# Altium PCB fpga.PcbDoc (part 5 of 11) (continued)
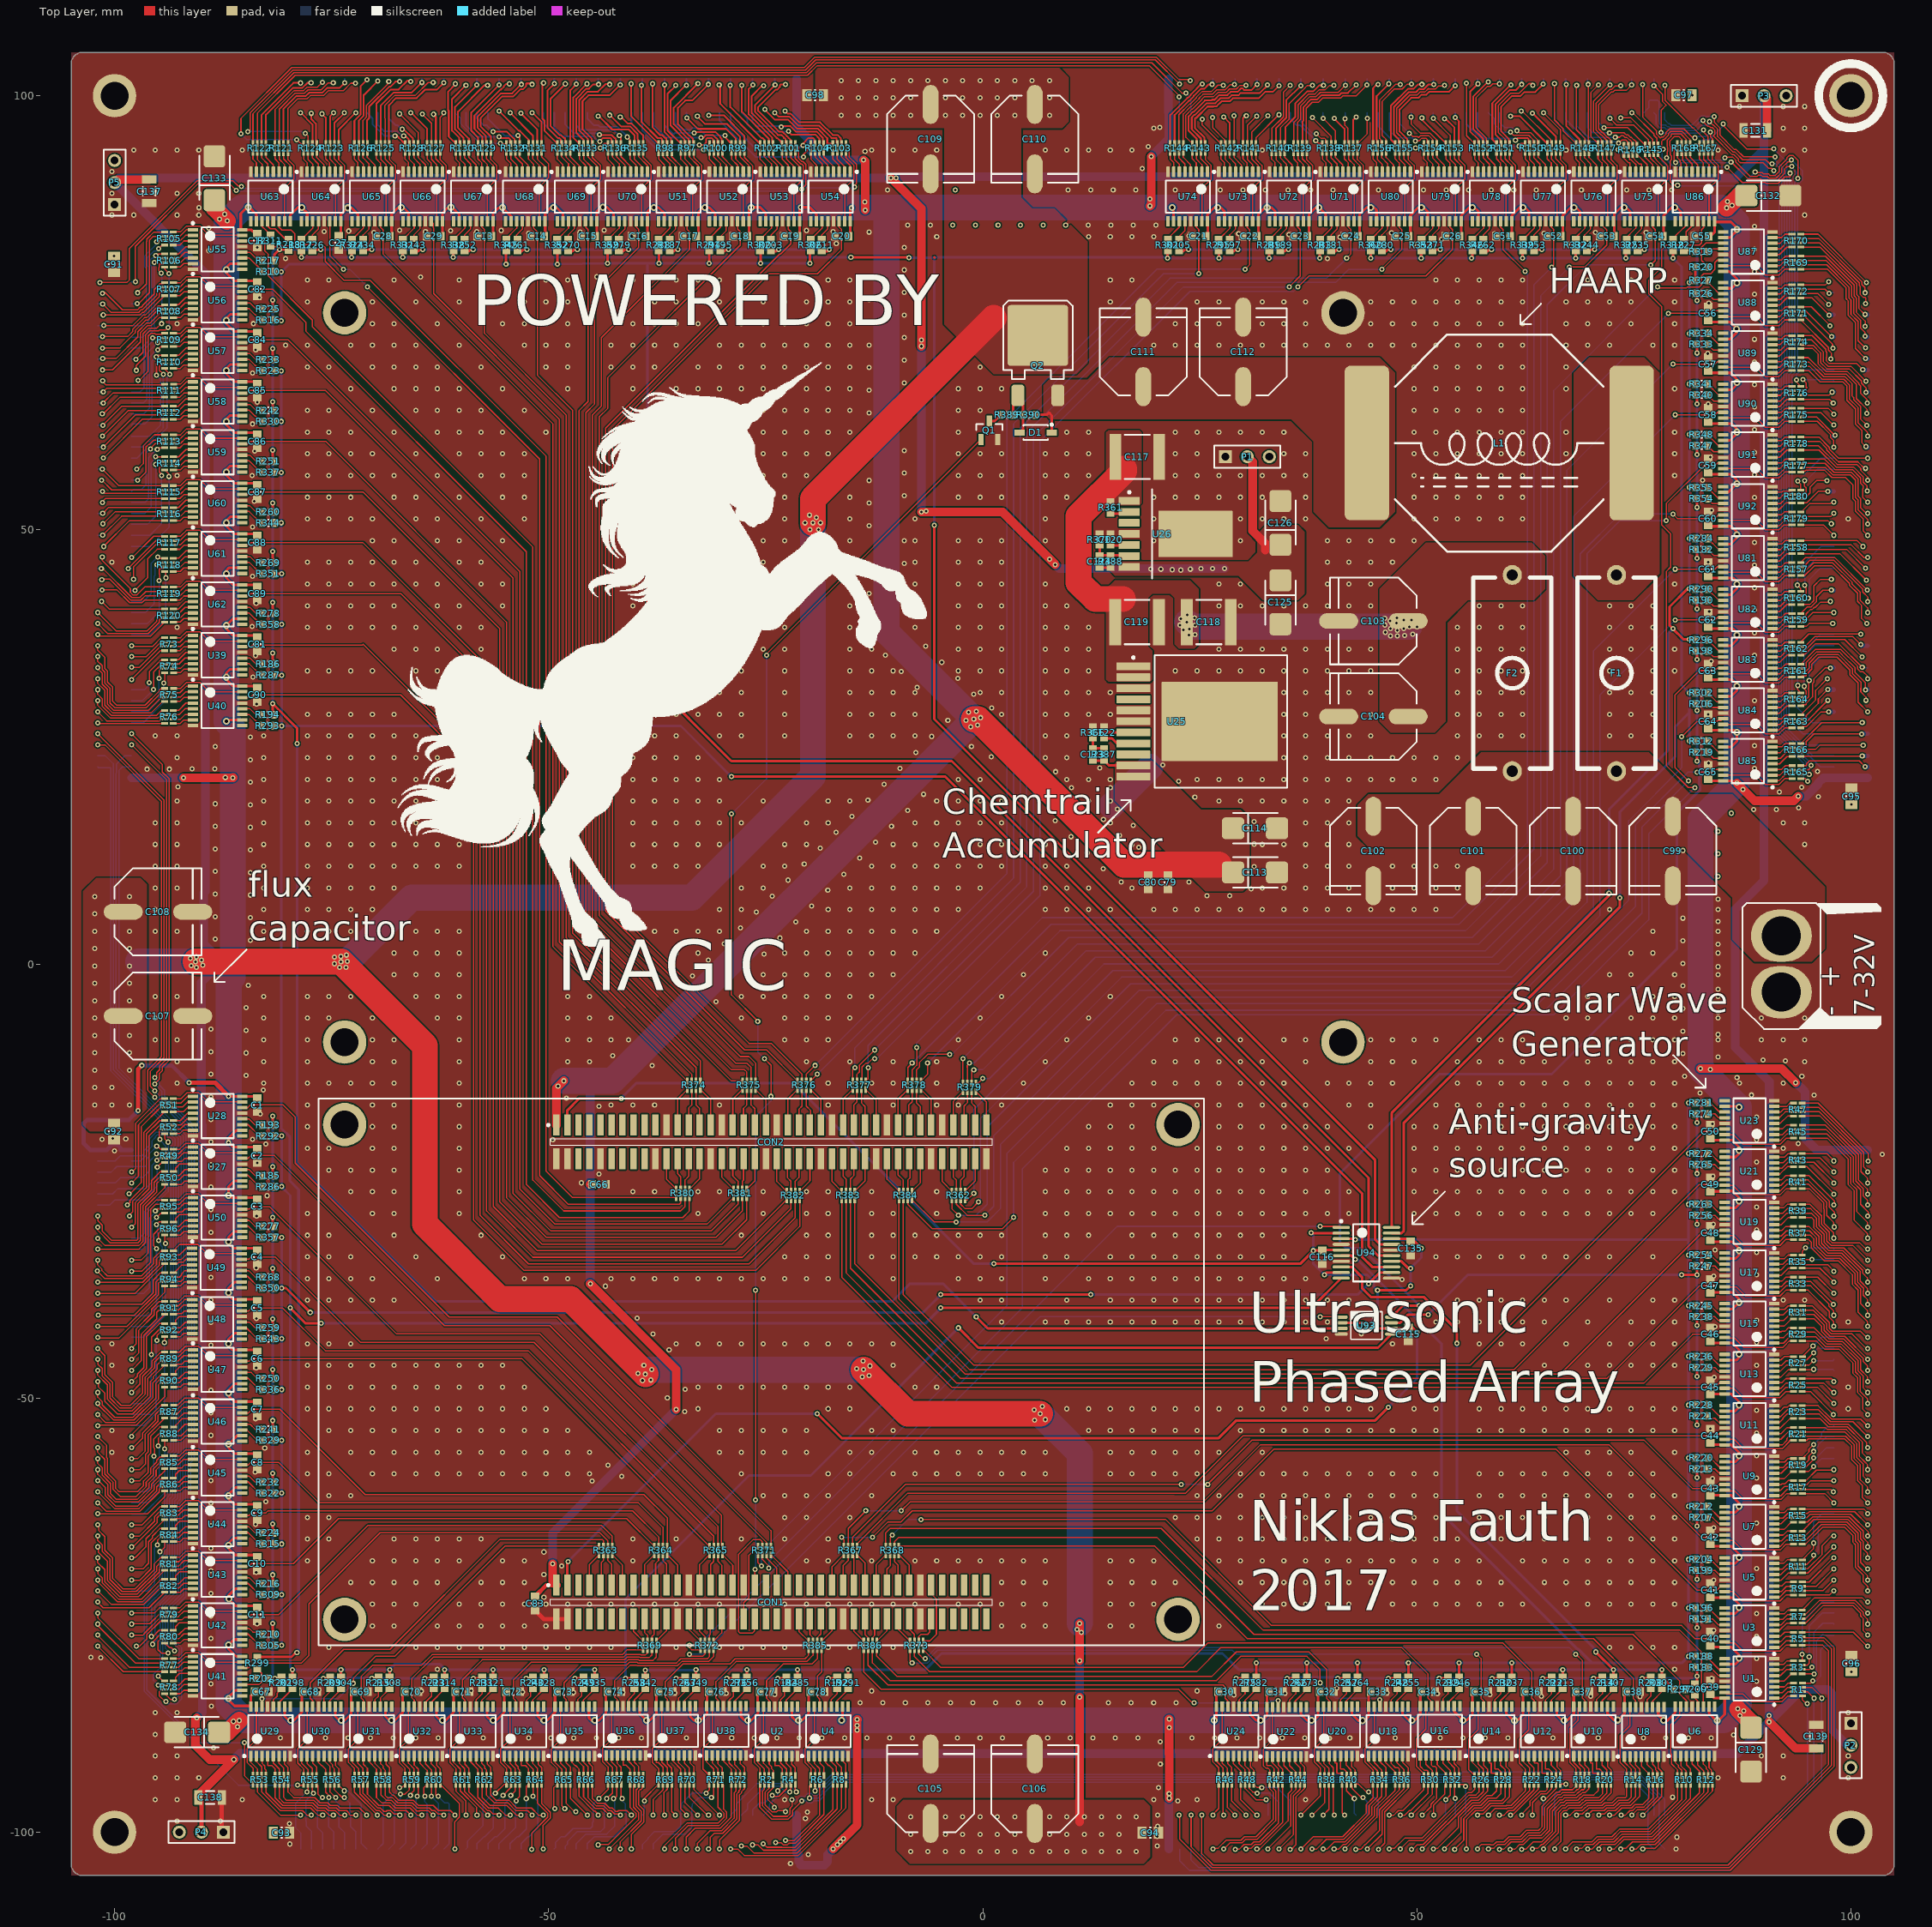
[diagram p0: Top Layer view]
## Nets (pads, with @x,y where several pads share a name; then routed paths per layer and width w, separated by ;. In a path a pad name is that pad's centre, name@x,y a point inside that pad or via, vN(x,y) a via of type N, cw(c..) or ccw(c..) an arc to the next point about the centre after c; other vN are vias at no path point) (continued)
  Top Layer w0.15: CON2.54@-16.095,-22.45 -16.095,-24.418 -15.744,-24.769 R383.3@-15.744,-26.17
NetCON2_55: CON2.55 R377.2 | length 4.2
  Top Layer w0.15: CON2.55@-14.825,-18.55 -14.825,-16.222 -14.474,-15.871 R377.2@-14.474,-14.47
NetCON2_56: CON2.56 R383.2 | length 3.9
  Top Layer w0.15: R383.2@-15.244,-26.17 -15.24,-26.166 -15.24,-24.765 -14.825,-24.35 CON2.56@-14.825,-22.45
NetCON2_57: CON2.57 R377.3 | length 4.3
  Top Layer w0.15: R377.3@-13.974,-14.47 -13.974,-15.998 -13.555,-16.417 CON2.57@-13.555,-18.55
NetCON2_58: CON2.58 R383.1 | length 4.2
  Top Layer w0.15: R383.1@-14.744,-26.17 -13.555,-24.981 CON2.58@-13.555,-22.45
NetCON2_59: CON2.59 R377.4 | length 4.6
  Top Layer w0.15: R377.4@-13.474,-14.47 -12.285,-15.659 CON2.59@-12.285,-18.55
NetCON2_62: CON2.62 R384.4 | length 4.3
  Top Layer w0.15: CON2.62@-11.015,-22.45 -11.015,-24.795 R384.4@-9.64,-26.17
NetCON2_63: CON2.63 R378.1 | length 4.5
  Top Layer w0.15: CON2.63@-9.745,-18.55 -9.745,-15.591 R378.1@-8.624,-14.47
NetCON2_64: CON2.64 R384.3 | length 4
  Top Layer w0.15: CON2.64@-9.745,-22.45 -9.745,-24.291 -9.14,-24.896 R384.3@-9.14,-26.17
NetCON2_65: CON2.65 R378.2 | length 4.3
  Top Layer w0.15: CON2.65@-8.475,-18.55 -8.509,-18.516 -8.509,-16.256 -8.124,-15.871 R378.2@-8.124,-14.47
NetCON2_66: CON2.66 R384.2 | length 3.9
  Top Layer w0.15: R384.2@-8.64,-26.17 -8.64,-24.896 -8.382,-24.638 -8.382,-22.543 CON2.66@-8.475,-22.45
NetCON2_67: CON2.67 R378.3 | length 4.3
  Top Layer w0.15: R378.3@-7.624,-14.47 -7.624,-15.998 -7.205,-16.417 CON2.67@-7.205,-18.55
NetCON2_68: CON2.68 R384.1 | length 4.1
  Top Layer w0.15: R384.1@-8.14,-26.17 -7.205,-25.235 CON2.68@-7.205,-22.45
NetCON2_69: CON2.69 R378.4 | length 4.6
  Top Layer w0.15: R378.4@-7.124,-14.47 -5.935,-15.659 CON2.69@-5.935,-18.55
NetCON2_72: CON2.72 R362.4 | length 4.2
  Top Layer w0.15: CON2.72@-4.665,-22.45 -4.665,-25.049 R362.4@-3.544,-26.17
NetCON2_73: CON2.73 R379.1 | length 4.3
  Top Layer w0.15: CON2.73@-3.395,-18.55 -3.395,-15.845 R379.1@-2.274,-14.724
NetCON2_74: CON2.74 R362.3 | length 3.9
  Top Layer w0.15: CON2.74@-3.395,-22.45 -3.395,-24.545 -3.044,-24.896 R362.3@-3.044,-26.17
NetCON2_75: CON2.75 R379.2 | length 4
  Top Layer w0.15: CON2.75@-2.125,-18.55 -2.159,-18.516 -2.159,-16.383 -1.774,-15.998 R379.2@-1.774,-14.724
NetCON2_76: CON2.76 R362.2 | length 3.9
  Top Layer w0.15: R362.2@-2.544,-26.17 -2.544,-24.896 -2.125,-24.477 CON2.76@-2.125,-22.45
NetCON2_77: CON2.77 R379.3 | length 4
  Top Layer w0.15: R379.3@-1.274,-14.724 -1.274,-15.998 -0.855,-16.417 CON2.77@-0.855,-18.55
NetCON2_78: CON2.78 R362.1 | length 4.2
  Top Layer w0.15: R362.1@-2.044,-26.17 -0.855,-24.981 CON2.78@-0.855,-22.45
NetCON2_79: CON2.79 R379.4 | length 4.3
  Top Layer w0.15: R379.4@-0.774,-14.724 0.415,-15.913 CON2.79@0.415,-18.55
NetD1_1: D1.1 Q2.1 R389.2 R390.2 | length 7.2
  Top Layer w0.3: R389.2@3.494,63.246 3.494,64.934 Q2.1@4.05,65.49 4.634,64.906 R390.2@4.634,63.246 4.634,61.602 D1.1@4.246,61.214
NetF1_2: F1.2 L1.1
NetJ1_7: J1.7 R47.8 | length 10.9
  Top Layer w0.15: R47.8@94.4,-16.026 96.226,-16.026 102,-21.8 v1(102,-22.7) v1@101.95,-22.695
NetJ1_8: J1.8 R43.8 | length 4
  Top Layer w0.15: R43.8@94.4,-21.852 97.252,-21.852 98.05,-22.65 v1(98.05,-22.695)
NetJ1_9: J1.9 R47.7 | length 11.7
  Top Layer w0.15: R47.7@94.4,-16.526 96.302,-16.526 101.475,-21.699 101.475,-23.375 102,-23.9 v1(101.95,-23.965)
NetJ1_10: J1.10 R43.7 | length 4.3
  Top Layer w0.15: R43.7@94.4,-22.352 96.452,-22.352 98.05,-23.95 v1(98.05,-23.965)
NetJ1_11: J1.11 R47.6 | length 12.6
  Top Layer w0.15: R47.6@94.4,-17.026 96.377,-17.026 101.175,-21.824 101.175,-23.932 101.9,-24.657 101.9,-25.235 101.9,-25.3 v1(101.95,-25.235)
NetJ1_12: J1.12 R43.6 | length 4.7
  Top Layer w0.15: R43.6@94.4,-22.852 95.752,-22.852 98.093,-25.192 98.1,-25.2 v1(98.05,-25.235)
NetJ1_13: J1.13 R47.5 | length 13.3
  Top Layer w0.15: R47.5@94.4,-17.526 96.453,-17.526 100.875,-21.948 100.875,-24.902 101.9,-25.927 101.9,-26.455 v1(101.95,-26.505)
NetJ1_14: J1.14 R43.5 | length 5
  Top Layer w0.15: R43.5@94.4,-23.352 94.952,-23.352 98.078,-26.477 v1(98.05,-26.505)
NetJ1_15: J1.15 R45.8 | length 13.9
  Top Layer w0.15: R45.8@94.416,-18.566 97.069,-18.566 100.575,-22.072 100.575,-25.027 101.425,-25.877 101.425,-26.722 101.9,-27.197 101.9,-27.725 v1(101.95,-27.775)
NetJ1_16: J1.16 R41.8 | length 5.4
  Top Layer w0.15: R41.8@94.4,-24.384 95.187,-24.384 98.1,-27.297 98.1,-27.725 v1(98.05,-27.775)
NetJ1_17: J1.17 R45.7 | length 14.7
  Top Layer w0.15: R45.7@94.416,-19.066 97.145,-19.066 100.275,-22.196 100.275,-25.151 101.125,-26.001 101.125,-27.692 102,-28.567 102,-29 v1(101.95,-29.045)
NetJ1_18: J1.18 R41.7 | length 6.1
  Top Layer w0.15: R41.7@94.4,-24.884 95.084,-24.884 97.525,-27.325 97.525,-27.992 98.1,-28.567 98.1,-29 v1(98.05,-29.045)
NetJ1_19: J1.19 R45.6 | length 15.8
  Top Layer w0.15: R45.6@94.416,-19.566 97.22,-19.566 99.975,-22.321 99.975,-25.275 100.701,-26.001 100.701,-28.538 101.9,-29.737 101.9,-30.4 102,-30.3 v1(101.95,-30.315)
NetJ1_20: J1.20 R41.6 | length 7
  Top Layer w0.15: R41.6@94.4,-25.384 95.16,-25.384 97.225,-27.449 97.225,-27.868 97.194,-27.899 97.194,-28.086 97.225,-28.117 97.225,-28.962 98,-29.737 98,-30.3 v1(98.1,-30.3)
NetJ1_21: J1.21 R45.5 | length 16.3
  Top Layer w0.15: R45.5@94.416,-20.066 97.296,-20.066 99.675,-22.445 99.675,-25.399 100.4,-26.125 100.4,-29.534 101.9,-31.034 101.9,-31.535 v1(101.95,-31.585)
NetJ1_22: J1.22 R41.5 | length 7.7
  Top Layer w0.15: R41.5@94.4,-25.884 95.235,-25.884 96.894,-27.542 96.894,-28.21 96.925,-28.241 96.925,-29.867 98,-30.942 98,-31.535 v1(98.05,-31.585)
NetJ1_23: J1.23 R39.8 | length 10.8
  Top Layer w0.15: R39.8@94.408,-27.698 95.298,-27.698 96.625,-29.025 96.625,-29.992 97.525,-30.892 97.525,-31.802 97.833,-32.11 101.01,-32.11 101.755,-32.855 v1(101.95,-32.855)
NetJ1_24: J1.24 R35.8 | length 4.3
  Top Layer w0.15: R35.8@94.4,-33.536 94.4,-33.1 v1(94.8,-32.7)
  Bottom Layer w0.15: v1(94.8,-32.7) 97.895,-32.7 J1.24@98.05,-32.855
NetJ1_25: J1.25 R39.7 | length 11.3
  Top Layer w0.15: R39.7@94.408,-28.198 95.374,-28.198 96.325,-29.149 96.325,-30.125 97.225,-31.025 97.225,-31.927 97.708,-32.41 100.21,-32.41 101.938,-34.138 102,-34.2 v1(101.95,-34.125)
NetJ1_26: J1.26 R35.7 | length 3.7
  Top Layer w0.15: R35.7@94.4,-34.036 v1(95.536,-34.036)
  Bottom Layer w0.15: v1(95.536,-34.036) 97.961,-34.036 J1.26@98.05,-34.125
NetJ1_27: J1.27 R39.6 | length 11.4
  Top Layer w0.15: R39.6@94.408,-28.698 95.449,-28.698 96.025,-29.274 96.025,-30.249 96.925,-31.149 96.925,-32.051 97.584,-32.71 99.21,-32.71 101.9,-35.4 v1(101.95,-35.395)
NetJ1_28: J1.28 R35.6 | length 4
  Top Layer w0.15: R35.6@94.4,-34.536 94.489,-34.625 97.325,-34.625 98.05,-35.35 v1(98.05,-35.395)
NetJ1_29: J1.29 R39.5 | length 12.2
  Top Layer w0.15: R39.5@94.408,-29.198 95.462,-29.198 95.725,-29.461 95.725,-30.374 96.625,-31.274 96.625,-32.175 97.46,-33.01 99.086,-33.01 101.375,-35.299 101.375,-35.617 101.9,-36.142 101.9,-36.615 v1(101.95,-36.665)
NetJ1_30: J1.30 R35.5 | length 4.4
  Top Layer w0.15: R35.5@94.4,-35.036 96.436,-35.036 98.058,-36.657 98.065,-36.665 v1(98.05,-36.665)
NetJ1_31: J1.31 R37.8 | length 12.2
  Top Layer w0.15: R37.8@94.408,-30.238 95.165,-30.238 96.325,-31.398 96.325,-32.3 97.335,-33.31 98.961,-33.31 101.075,-35.424 101.075,-36.532 101.9,-37.357 101.9,-37.9 v1(101.95,-37.935)
NetJ1_32: J1.32 R33.8 | length 4.4
  Top Layer w0.15: R33.8@94.408,-36.08 96.18,-36.08 98.035,-37.935 v1(98.05,-37.935)
NetJ1_33: J1.33 R37.7 | length 13.1
  Top Layer w0.15: R37.7@94.408,-30.738 95.241,-30.738 96.025,-31.522 96.025,-32.424 97.211,-33.61 98.837,-33.61 100.775,-35.548 100.775,-36.657 101.476,-37.357 101.476,-37.667 101.425,-37.718 101.425,-38.152 101.9,-38.627 101.9,-39.155 v1(101.95,-39.205)
NetJ1_34: J1.34 R33.7 | length 4.7
  Top Layer w0.15: R33.7@94.408,-36.58 95.38,-36.58 v1(98,-39.2) v1@98.05,-39.205
NetJ1_35: J1.35 R37.6 | length 13.8
  Top Layer w0.15: R37.6@94.408,-31.238 95.317,-31.238 95.725,-31.646 95.725,-32.548 97.087,-33.91 98.713,-33.91 100.475,-35.672 100.475,-36.781 101.125,-37.431 101.125,-39.122 101.9,-39.897 101.9,-40.425 v1(101.95,-40.475)
NetJ1_36: J1.36 R33.6 | length 5.5
  Top Layer w0.15: R33.6@94.408,-37.08 95.38,-37.08 97.475,-39.175 97.475,-39.417 98,-39.942 98,-40.475 98,-40.5 v1(98.05,-40.475)
NetJ1_37: J1.37 R37.5 | length 14.5
  Top Layer w0.15: R37.5@94.408,-31.738 95.138,-31.738 95.425,-32.025 95.425,-32.672 96.963,-34.21 98.589,-34.21 100.175,-35.796 100.175,-36.905 100.825,-37.555 100.825,-40.092 101.9,-41.167 101.9,-41.7 v1(101.95,-41.745)
NetJ1_38: J1.38 R33.5 | length 6.1
  Top Layer w0.15: R33.5@94.408,-37.58 95.08,-37.58 97.525,-40.025 97.525,-40.692 98,-41.167 98,-41.695 v1(98.05,-41.745)
NetJ1_39: J1.39 R31.8 | length 9.4
  Top Layer w0.15: R31.8@94.408,-39.382 95.582,-39.382 97.525,-41.325 97.525,-41.962 97.863,-42.3 101.1,-42.3 101.815,-43.015 v1(101.95,-43.015)
NetJ1_40: J1.40 R27.8 | length 4.6
  Top Layer w0.15: R27.8@94.416,-45.228 v1(95.644,-44)
  Bottom Layer w0.15: v1(95.644,-44) 96.629,-43.015 J1.40@98.05,-43.015
NetJ1_41: J1.41 R31.7 | length 9.8
  Top Layer w0.15: R31.7@94.408,-39.882 95.658,-39.882 97.225,-41.449 97.225,-42.087 97.738,-42.6 100.1,-42.6 101.8,-44.3 101.935,-44.3 v1(101.95,-44.285)
NetJ1_42: J1.42 R27.7 | length 4.2
  Top Layer w0.15: R27.7@94.416,-45.728 94.772,-45.728 94.897,-45.603 94.909,-45.603 95.041,-45.471 95.041,-45.459 v1(95.7,-44.8)
  Bottom Layer w0.15: v1(95.7,-44.8) 96.215,-44.285 J1.42@98.05,-44.285
NetJ1_43: J1.43 R31.6 | length 10.1
  Top Layer w0.15: R31.6@94.408,-40.382 95.733,-40.382 96.925,-41.574 96.925,-42.211 97.614,-42.9 99.3,-42.9 101.95,-45.55 v1(101.95,-45.555)
NetJ1_44: J1.44 R27.6 | length 3.9
  Top Layer w0.15: R27.6@94.416,-46.228 95.172,-46.228 v1(95.7,-45.7)
  Bottom Layer w0.15: v1(95.7,-45.7) 97.905,-45.7 J1.44@98.05,-45.555
NetJ1_45: J1.45 R31.5 | length 10.9
  Top Layer w0.15: R31.5@94.408,-40.882 95.782,-40.882 96.625,-41.725 96.625,-42.335 97.49,-43.2 99.176,-43.2 101.425,-45.449 101.425,-45.772 101.9,-46.247 101.9,-46.8 v1(101.95,-46.825)
NetJ1_46: J1.46 R27.5 | length 3.7
  Top Layer w0.15: R27.5@94.416,-46.728 95.572,-46.728 v1(95.7,-46.7)
  Bottom Layer w0.15: v1(95.7,-46.7) 97.925,-46.7 J1.46@98.05,-46.825
NetJ1_47: J1.47 R29.8 | length 11.1
  Top Layer w0.15: R29.8@94.408,-41.922 95.787,-41.922 97.365,-43.5 99.051,-43.5 101.125,-45.574 101.125,-46.742 101.9,-47.517 101.9,-48.095 101.9,-48.1 v1(101.95,-48.095)
NetJ1_48: J1.48 R25.8 | length 3.8
  Top Layer w0.15: R25.8@94.4,-47.76 97.76,-47.76 98.05,-48.05 v1(98.05,-48.095)
NetJ1_49: J1.49 R29.7 | length 12
  Top Layer w0.15: R29.7@94.408,-42.422 95.863,-42.422 97.241,-43.8 98.927,-43.8 100.825,-45.698 100.825,-46.867 101.4,-47.442 101.4,-48.8 101.958,-49.357 102,-49.4 v1(101.95,-49.365)
NetJ1_50: J1.50 R25.7 | length 4.1
  Top Layer w0.15: R25.7@94.4,-48.26 96.86,-48.26 97.965,-49.365 v1(98.05,-49.365)
NetJ1_51: J1.51 R29.6 | length 12.7
  Top Layer w0.15: R29.6@94.408,-42.922 95.939,-42.922 97.117,-44.1 98.803,-44.1 100.525,-45.822 100.525,-46.991 101.1,-47.566 101.1,-49.257 101.9,-50.057 101.9,-50.6 v1(101.95,-50.635)
NetJ1_52: J1.52 R25.6 | length 4.4
  Top Layer w0.15: R25.6@94.4,-48.76 96.16,-48.76 98,-50.6 v1(98.05,-50.635)
NetJ1_53: J1.53 R29.5 | length 13.6
  Top Layer w0.15: R29.5@94.408,-43.422 96.015,-43.422 96.993,-44.4 98.679,-44.4 100.225,-45.946 100.225,-47.115 100.8,-47.69 100.8,-49.382 101.359,-49.941 101.359,-51.259 101.978,-51.877 102,-51.9 v1(101.95,-51.905)
NetJ1_54: J1.54 R25.5 | length 4.7
  Top Layer w0.15: R25.5@94.4,-49.26 95.36,-49.26 v1(98,-51.9)
NetJ1_55: J1.55 R23.8 | length 8.5
  Top Layer w0.15: R23.8@94.4,-50.858 96.216,-50.858 97.783,-52.425 101.125,-52.425 101.875,-53.175 v1(101.95,-53.175)
NetJ1_56: J1.56 R19.8 | length 5.7
  Top Layer w0.15: R19.8@94.4,-56.97 95.175,-56.195 95.175,-55.883 v1(95.7,-55.358)
  Bottom Layer w0.15: v1(95.7,-55.358) 96.625,-54.433 96.625,-53.982 97.267,-53.34 97.885,-53.34 J1.56@98.05,-53.175
NetJ1_57: J1.57 R23.7 | length 8.8
  Top Layer w0.15: R23.7@94.4,-51.358 96.291,-51.358 97.658,-52.725 100.23,-52.725 v1(101.95,-54.445)
NetJ1_58: J1.58 R19.7 | length 5.3
  Top Layer w0.15: R19.7@94.4,-57.47 94.83,-57.47 95.175,-57.125 ; v1@95.758,-56.134 v1(95.724,-56.134) 95.175,-56.683 95.175,-57.117 ; 95.175,-57.125 95.175,-57.117 ; 95.175,-57.125 95.175,-57.117
  Bottom Layer w0.15: v1(95.724,-56.134) 95.724,-56.076 96.225,-55.575 96.225,-55.413 97.193,-54.445 J1.58@98.05,-54.445
NetJ1_59: J1.59 R23.6 | length 9.6
  Top Layer w0.15: R23.6@94.4,-51.858 96.367,-51.858 97.534,-53.025 99.725,-53.025 101.8,-55.1 101.8,-55.715 101.8,-55.8 v1(101.95,-55.715)
NetJ1_60: J1.60 R19.6 | length 4.7
  Top Layer w0.15: R19.6@94.4,-57.97 94.83,-57.97 95.7,-57.1 v1(95.7,-56.9)
  Bottom Layer w0.15: v1(95.7,-56.9) 96.008,-56.9 97.193,-55.715 J1.60@98.05,-55.715
NetJ1_61: J1.61 R23.5 | length 10.4
  Top Layer w0.15: R23.5@94.4,-52.358 94.433,-52.391 96.476,-52.391 97.41,-53.325 99.601,-53.325 101.3,-55.024 101.3,-56.3 v1(102,-57) v1@102.104,-56.896
NetJ1_62: J1.62 R19.5 | length 4.3
  Top Layer w0.15: R19.5@94.4,-58.47 95.13,-58.47 v1(95.7,-57.9)
  Bottom Layer w0.15: v1(95.7,-57.9) 96.615,-56.985 J1.62@98.05,-56.985
NetJ1_63: J1.63 R21.8 | length 10.9
  Top Layer w0.15: R21.8@94.408,-53.394 97.055,-53.394 97.285,-53.625 99.477,-53.625 101,-55.149 101,-56.742 101.675,-57.417 101.9,-57.642 101.9,-58.3 v1(101.95,-58.255)
NetJ1_64: J1.64 R17.8 | length 4.2
  Top Layer w0.15: R17.8@94.408,-59.506 94.836,-59.506 96.042,-58.3 98.005,-58.3 v1(98.05,-58.255)
NetJ1_65: J1.65 R21.7 | length 11.6
  Top Layer w0.15: R21.7@94.408,-53.894 94.439,-53.925 99.352,-53.925 100.7,-55.273 100.7,-56.867 101.4,-57.567 101.4,-58.975 v1(101.95,-59.525)
NetJ1_66: J1.66 R17.7 | length 3.8
  Top Layer w0.15: R17.7@94.408,-60.006 94.894,-60.006 95.375,-59.525 v1(98.05,-59.525)
NetJ1_67: J1.67 R21.6 | length 12.5
  Top Layer w0.15: R21.6@94.408,-54.394 99.394,-54.394 100.4,-55.4 100.4,-56.991 101.1,-57.691 101.1,-59.417 101.9,-60.217 101.9,-60.795 101.9,-60.8 v1(101.95,-60.795)
NetJ1_68: J1.68 R17.6 | length 3.8
  Top Layer w0.15: R17.6@94.408,-60.506 97.706,-60.506 v1(98,-60.8) v1@98.05,-60.795
NetJ1_69: J1.69 R21.5 | length 13.4
  Top Layer w0.15: R21.5@94.408,-54.894 94.906,-54.894 95.106,-54.694 99.27,-54.694 100.1,-55.524 100.1,-57.115 100.8,-57.815 100.8,-59.542 101.3,-60.042 101.3,-61.415 v1(101.95,-62.065)
NetJ1_70: J1.70 R17.5 | length 4.1
  Top Layer w0.15: R17.5@94.408,-61.006 96.991,-61.006 v1(98.05,-62.065)
NetJ1_71: J1.71 R15.8 | length 7.9
  Top Layer w0.15: R15.8@94.4,-62.788 101.488,-62.788 102,-63.3 v1(101.95,-63.335)
NetJ1_72: J1.72 R11.8 | length 7.6
  Top Layer w0.15: R11.8@94.408,-68.65 95.483,-67.575 ; 95.483,-67.575 95.7,-67.358 v1(95.7,-66.7)
  Bottom Layer w0.15: v1(95.7,-66.7) 95.7,-64.3 96.665,-63.335 J1.72@98.05,-63.335
NetJ1_73: J1.73 R15.7 | length 8.3
  Top Layer w0.15: R15.7@94.4,-63.288 94.412,-63.3 95,-63.3 95.212,-63.088 100.433,-63.088 v1(101.95,-64.605)
NetJ1_74: J1.74 R11.7 | length 7.2
  Top Layer w0.15: R11.7@94.408,-69.15 94.95,-69.15 95.7,-68.4 v1(95.7,-68.1)
  Bottom Layer w0.15: v1(95.7,-68.1) 96.225,-67.575 96.225,-64.963 96.596,-64.592 98.037,-64.592 J1.74@98.05,-64.605
NetJ1_75: J1.75 R15.6 | length 9.2
  Top Layer w0.15: R15.6@94.4,-63.788 94.936,-63.788 95.336,-63.388 99.988,-63.388 102,-65.4 102,-65.875 102,-65.9 v1(101.95,-65.875)
NetJ1_76: J1.76 R11.6 | length 5.9
  Top Layer w0.15: R11.6@94.408,-69.65 95.05,-69.65 96.7,-68 96.7,-67 97.9,-65.8 97.975,-65.875 v1(98.05,-65.875)
NetJ1_77: J1.77 R15.5 | length 10
  Top Layer w0.15: R15.5@94.4,-64.288 95.012,-64.288 95.612,-63.688 99.788,-63.688 101.425,-65.325 101.425,-66.092 101.95,-66.617 v1(101.95,-67.145)
NetJ1_78: J1.78 R11.5 | length 4.9
  Top Layer w0.15: R11.5@94.408,-70.15 95.05,-70.15 98.05,-67.15 v1(98.05,-67.145)
NetJ1_79: J1.79 R13.8 | length 11.2
  Top Layer w0.15: R13.8@94.4,-65.336 95.748,-63.988 99.664,-63.988 101.125,-65.449 101.125,-66.217 101.425,-66.517 101.425,-67.362 101.9,-67.837 101.9,-68.4 v1(101.95,-68.415)
NetJ1_80: J1.80 R9.8 | length 4.8
  Top Layer w0.15: R9.8@94.408,-71.19 95.21,-71.19 98,-68.4 v1(98.05,-68.415)
NetJ1_81: J1.81 R13.7 | length 12.3
  Top Layer w0.15: R13.7@94.4,-65.836 94.768,-65.836 96.316,-64.288 99.539,-64.288 100.825,-65.574 100.825,-66.341 101.125,-66.641 101.125,-68.925 v1@101.854,-69.654 ; v1@101.854,-69.654 101.9,-69.7 v1(101.95,-69.685) v1@101.854,-69.654
NetJ1_82: J1.82 R9.7 | length 4.5
  Top Layer w0.15: R9.7@94.408,-71.69 96.01,-71.69 98,-69.7 v1(98.05,-69.685)
NetJ1_83: J1.83 R13.6 | length 13.2
  Top Layer w0.15: R13.6@94.4,-66.336 94.864,-66.336 96.612,-64.588 99.415,-64.588 100.525,-65.698 100.525,-66.465 100.825,-66.765 100.825,-69.367 101.9,-70.442 101.9,-70.905 v1(101.95,-70.955)
NetJ1_84: J1.84 R9.6 | length 4.2
  Top Layer w0.15: R9.6@94.408,-72.19 96.815,-72.19 v1(98.05,-70.955)
NetJ1_85: J1.85 R13.5 | length 14.1
  Top Layer w0.15: R13.5@94.4,-66.836 94.788,-66.836 96.736,-64.888 99.291,-64.888 100.225,-65.822 100.225,-66.59 100.525,-66.89 100.525,-69.492 101.425,-70.392 101.425,-71.172 101.95,-71.697 v1(101.95,-72.225)
NetJ1_86: J1.86 R9.5 | length 3.9
  Top Layer w0.15: R9.5@94.408,-72.69 97.51,-72.69 98,-72.2 v1(98.05,-72.225)
NetJ1_87: J1.87 R7.8 | length 8.3
  Top Layer w0.15: R7.8@94.4,-74.43 95.83,-73 101.3,-73 101.8,-73.5 v1(101.95,-73.495)
NetJ1_88: J1.88 R3.8 | length 9.2
  Top Layer w0.15: R3.8@94.4,-80.264 v1(94.4,-79.5)
  Bottom Layer w0.15: v1(94.4,-79.5) 94.4,-75.78 96.774,-73.406 96.863,-73.495 J1.88@98.05,-73.495
NetJ1_89: J1.89 R7.7 | length 8.8
  Top Layer w0.15: R7.7@94.4,-74.93 94.768,-74.93 96.398,-73.3 100.485,-73.3 v1(101.95,-74.765)
NetJ1_90: J1.90 R3.7 | length 8.7
  Top Layer w0.15: R3.7@94.4,-80.764 94.994,-80.764 95.2,-80.558 v1(95.2,-79.8)
  Bottom Layer w0.15: v1(95.2,-79.8) 95.2,-76.25 96.685,-74.765 J1.90@98.05,-74.765
NetJ1_91: J1.91 R7.6 | length 9.9
  Top Layer w0.15: R7.6@94.4,-75.43 94.77,-75.43 96.6,-73.6 100.361,-73.6 101.425,-74.664 101.425,-74.982 101.9,-75.457 101.9,-76.035 101.9,-76.1 v1(101.95,-76.035)
NetJ1_92: J1.92 R3.6 | length 8.1
  Top Layer w0.15: R3.6@94.4,-81.264 95.236,-81.264 v1(95.5,-81)
  Bottom Layer w0.15: v1(95.5,-81) 95.758,-80.742 95.758,-76.962 96.774,-75.946 97.961,-75.946 J1.92@98.05,-76.035
NetJ1_93: J1.93 R7.5 | length 10.8
  Top Layer w0.15: R7.5@94.4,-75.93 94.77,-75.93 96.8,-73.9 100.236,-73.9 101.125,-74.789 101.125,-75.107 101.4,-75.382 101.4,-76.755 v1(101.95,-77.305)
NetJ1_94: J1.94 R3.5 | length 7.7
  Top Layer w0.15: R3.5@94.4,-81.764 95.734,-81.764 v1(95.758,-81.788)
  Bottom Layer w0.15: v1(95.758,-81.788) 96.058,-81.488 96.058,-77.932 96.774,-77.216 96.863,-77.305 J1.94@98.05,-77.305
NetJ1_95: J1.95 R5.8 | length 8.2
  Top Layer w0.15: R5.8@94.4,-76.978 100.278,-76.978 101.9,-78.6 v1(101.95,-78.575)
NetJ1_96: J1.96 R1.8 | length 7.2
  Top Layer w0.15: R1.8@94.416,-82.828 95.372,-82.828 v1(95.6,-82.6)
  Bottom Layer w0.15: v1(95.6,-82.6) 95.962,-82.6 96.52,-82.042 96.52,-78.994 96.939,-78.575 J1.96@98.05,-78.575
NetJ2_7: J2.7 R5.7 | length 102.4
  Top Layer w0.15: v1@22.695,-98.05 22.695,-100.8 26.289,-104.394 86.106,-104.394 98.044,-92.456 98.044,-78.74 96.907,-77.603 94.525,-77.603 R5.7@94.4,-77.478
  other v1: 22.606,-98.044
NetJ2_8: J2.8 R1.7 | length 92.4
  Top Layer w0.15: R1.7@94.416,-83.328 95.52,-83.328 96.647,-84.455 v1(96.647,-84.582)
  Bottom Layer w0.15: J2.8@22.695,-101.95 22.695,-103.289 23.816,-104.41 86.133,-104.41 96.647,-93.896 v1(96.647,-84.582) v1@96.647,-84.455
NetJ2_9: J2.9 R5.6 | length 100.5
  Top Layer w0.15: v1@23.965,-98.05 v1(24.003,-98.044) 24.003,-101.684 26.413,-104.094 85.982,-104.094 97.744,-92.332 97.744,-78.864 96.858,-77.978 R5.6@94.4,-77.978
NetJ2_10: J2.10 R1.6 | length 88.9
  Top Layer w0.15: R1.6@94.416,-83.828 95.004,-83.828 v1(95.758,-84.582)
  Bottom Layer w0.15: J2.10@23.965,-101.95 23.965,-103.162 24.913,-104.11 86.009,-104.11 95.758,-94.361 v1(95.758,-84.582)
NetJ2_11: J2.11 R5.5 | length 98.4
  Top Layer w0.15: v1(25.235,-98.05) 25.235,-102.491 26.538,-103.794 85.857,-103.794 97.444,-92.207 97.444,-79.156 96.766,-78.478 R5.5@94.4,-78.478
NetJ2_12: J2.12 R1.5 | length 85.5
  Top Layer w0.15: R1.5@94.416,-84.328 94.416,-84.764 94.869,-85.217 v1(94.996,-85.217)
  Bottom Layer w0.15: J2.12@25.235,-101.95 25.235,-102.959 26.086,-103.81 85.827,-103.81 94.996,-94.64 v1(94.996,-85.217)
NetJ2_13: J2.13 R46.5 | length 4.1
  Top Layer w0.15: R46.5@27.19,-94.48 27.19,-97.27 v1@26.416,-98.044 ; v1@26.416,-98.044 26.422,-98.05 v1(26.505,-98.05) v1@26.416,-98.044
NetJ2_14: J2.14 R42.5 | length 12.9
  Top Layer w0.15: R42.5@33.044,-94.472 33.044,-94.974 33.444,-95.374 33.444,-98.567 31.486,-100.525 30.149,-100.525 29.755,-100.919 28.064,-100.919 27.129,-101.854 v1@26.416,-101.854 ; v1@26.416,-101.854 26.416,-101.861 v1(26.505,-101.95) v1@26.416,-101.854
NetJ2_15: J2.15 R46.6 | length 3.6
  Top Layer w0.15: R46.6@27.69,-94.48 27.69,-97.965 v1(27.775,-98.05)
NetJ2_16: J2.16 R42.6 | length 11.6
  Top Layer w0.15: v1(27.775,-101.95) 28.506,-101.219 29.879,-101.219 30.273,-100.825 31.61,-100.825 33.744,-98.691 33.744,-95.25 33.528,-95.034 33.528,-94.488 R42.6@33.544,-94.472
NetJ2_17: J2.17 R46.7 | length 4
  Top Layer w0.15: R46.7@28.19,-94.48 28.19,-97.151 29.067,-98.028 v1@29.083,-98.044 ; v1@29.083,-98.044 29.077,-98.05 v1(29.045,-98.05) v1@29.083,-98.044
NetJ2_18: J2.18 R42.7 | length 10.8
  Top Layer w0.15: v1@29.045,-101.95 v1(29.076,-101.981) 29.542,-101.981 30.098,-101.425 30.943,-101.425 31.243,-101.125 31.884,-101.125 34.044,-98.965 R42.7@34.044,-94.472
NetJ2_19: J2.19 R46.8 | length 4.2
  Top Layer w0.15: R46.8@28.69,-94.48 28.69,-96.425 v1(30.315,-98.05)
NetJ2_20: J2.20 R42.8 | length 10.2
  Top Layer w0.15: R42.8@34.544,-94.472 34.544,-98.89 32.009,-101.425 31.368,-101.425 30.939,-101.854 v1@30.226,-101.854 ; v1@30.226,-101.854 30.226,-101.861 v1(30.315,-101.95) v1@30.226,-101.854
NetJ2_21: J2.21 R48.5 | length 4.5
  Top Layer w0.15: R48.5@29.718,-94.472 29.718,-96.266 31.543,-98.092 31.585,-98.133 v1(31.585,-98.05)
NetJ2_22: J2.22 R44.5 | length 9.3
  Top Layer w0.15: v1(31.585,-101.95) 31.908,-101.95 35.168,-98.69 35.168,-95.599 35.568,-95.199 R44.5@35.568,-94.472
NetJ2_23: J2.23 R48.6 | length 5.4
  Top Layer w0.15: R48.6@30.218,-94.472 30.218,-94.988 31.496,-96.266 v1(32.639,-96.266)
  Bottom Layer w0.15: v1@32.512,-96.266 32.855,-96.609 J2.23@32.855,-98.05
NetJ2_24: J2.24 R44.6 | length 8.8
  Top Layer w0.15: v1(32.855,-101.95) 32.855,-101.892 35.468,-99.279 35.468,-95.724 36.068,-95.124 R44.6@36.068,-94.472
NetJ2_25: J2.25 R48.7 | length 6
  Top Layer w0.15: R48.7@30.718,-94.472 30.718,-94.98 31.115,-95.377 31.496,-95.377 v1(31.623,-95.504)
  Bottom Layer w0.15: v1(31.623,-95.504) 33.02,-95.504 34.125,-96.609 J2.25@34.125,-98.05
NetJ2_26: J2.26 R44.7 | length 8.5
  Top Layer w0.15: v1(34.125,-101.95) 35.768,-100.307 35.768,-95.848 36.568,-95.048 R44.7@36.568,-94.472
NetJ2_27: J2.27 R48.8 | length 6.7
  Top Layer w0.15: R48.8@31.218,-94.472 31.615,-94.869 v1(32.131,-94.869)
  Bottom Layer w0.15: v1(32.131,-94.869) 33.909,-94.869 35.395,-96.355 J2.27@35.395,-98.05
NetJ2_28: J2.28 R44.8 | length 8.6
  Top Layer w0.15: R44.8@37.068,-94.472 37.068,-94.972 36.068,-95.972 36.068,-101.473 v1@35.433,-102.108 ; v1@35.433,-102.108 v1(35.433,-101.988) 35.395,-101.95 v1@35.433,-102.108
NetJ2_29: J2.29 R38.5 | length 4.5
  Top Layer w0.15: v1(36.665,-98.05) 38.874,-95.841 R38.5@38.874,-94.48
NetJ2_30: J2.30 R34.5 | length 12.9
  Top Layer w0.15: v1(36.665,-101.95) 38.09,-100.525 41.473,-100.525 44.2,-97.798 44.2,-96.808 44.966,-96.042 44.966,-95.603 44.975,-95.594 44.975,-94.481 R34.5@44.966,-94.472
NetJ2_31: J2.31 R38.6 | length 4.2
  Top Layer w0.15: v1(37.935,-98.05) 37.973,-98.044 39.374,-96.643 R38.6@39.374,-94.48
NetJ2_32: J2.32 R34.6 | length 12.1
  Top Layer w0.15: v1(37.935,-101.95) 37.973,-101.981 38.432,-101.981 39.588,-100.825 41.597,-100.825 44.5,-97.922 44.5,-96.932 45.466,-95.966 R34.6@45.466,-94.472
NetJ2_33: J2.33 R38.7 | length 3.8
  Top Layer w0.15: v1(39.205,-98.05) 39.874,-97.381 R38.7@39.874,-94.48
NetJ2_34: J2.34 R34.7 | length 11.3
  Top Layer w0.15: v1(39.205,-101.95) 39.675,-101.95 40.5,-101.125 41.721,-101.125 44.8,-98.046 44.8,-97.057 45.966,-95.891 R34.7@45.966,-94.472
NetJ2_35: J2.35 R38.8 | length 3.7
  Top Layer w0.15: R38.8@40.374,-94.48 40.374,-97.905 v1(40.513,-98.044) v1@40.475,-98.05
NetJ2_36: J2.36 R34.8 | length 10.7
  Top Layer w0.15: v1(40.475,-101.95) 40.386,-101.981 40.972,-101.981 41.528,-101.425 41.846,-101.425 45.1,-98.171 45.1,-97.181 46.466,-95.815 R34.8@46.466,-94.472
NetJ2_37: J2.37 R40.5 | length 3.8
  Top Layer w0.15: R40.5@41.41,-94.472 41.41,-97.798 41.656,-98.044 v1@41.745,-98.05
  other v1: 41.7,-98.047
NetJ2_38: J2.38 R36.5 | length 9.9
  Top Layer w0.15: v1(41.745,-101.95) 45.4,-98.295 45.4,-97.305 47.506,-95.199 R36.5@47.506,-94.472
NetJ2_39: J2.39 R40.6 | length 4
  Top Layer w0.15: R40.6@41.91,-94.472 41.91,-95.25 v1(42.799,-96.139)
  Bottom Layer w0.15: v1(42.799,-96.139) 42.799,-97.834 J2.39@43.015,-98.05
NetJ2_40: J2.40 R36.6 | length 10
  Top Layer w0.15: v1@43.015,-101.95 v1(42.984,-101.981) 43.541,-101.981 43.76,-101.762 43.76,-101.733 44.068,-101.425 44.097,-101.425 45.7,-99.822 45.7,-97.43 48.006,-95.124 R36.6@48.006,-94.472
NetJ2_41: J2.41 R40.7 | length 4.5
  Top Layer w0.15: R40.7@42.41,-94.472 42.535,-94.597 42.535,-94.965 42.545,-94.975 42.545,-94.996 42.566,-94.996 43.582,-96.012 v1(43.815,-96.012)
  Bottom Layer w0.15: v1(43.815,-96.012) 44.285,-96.482 J2.41@44.285,-98.05
NetJ2_42: J2.42 R36.7 | length 9.2
  Top Layer w0.15: v1(44.285,-101.95) 46,-100.235 46,-97.554 48.506,-95.048 R36.7@48.506,-94.472
NetJ2_43: J2.43 R40.8 | length 5
  Top Layer w0.15: R40.8@42.91,-94.472 43.291,-94.472 44.196,-95.377 v1(44.45,-95.377)
  Bottom Layer w0.15: v1(44.45,-95.377) 45.555,-96.482 J2.43@45.555,-98.05
NetJ2_44: J2.44 R36.8 | length 9
  Top Layer w0.15: R36.8@49.006,-94.472 49.006,-94.972 46.3,-97.678 46.3,-101.274 v1(45.593,-101.981) ; v1(45.593,-101.981) 45.562,-101.95 45.555,-101.95 v1(45.593,-101.981)
NetJ2_45: J2.45 R30.5 | length 5.8
  Top Layer w0.15: v1(46.825,-98.05) 47.353,-98.05 47.878,-97.525 48.398,-97.525 50.8,-95.123 R30.5@50.8,-94.488
NetJ2_46: J2.46 R26.5 | length 13.4
  Top Layer w0.15: R26.5@56.654,-94.48 56.654,-95.093 56.322,-95.425 55.898,-95.425 50.658,-100.665 48.638,-100.665 47.449,-101.854 v1@46.863,-101.854 ; v1@46.863,-101.854 46.825,-101.892 v1(46.825,-101.95) v1@46.863,-101.854
NetJ2_47: J2.47 R30.6 | length 5.5
  Top Layer w0.15: R30.6@51.3,-94.488 51.3,-95.512 49.287,-97.525 49.148,-97.525 48.629,-98.044 v1@48.006,-98.044 ; v1@48.006,-98.044 48.012,-98.05 v1(48.095,-98.05) v1@48.006,-98.044
NetJ2_48: J2.48 R26.6 | length 12.7
  Top Layer w0.15: v1(48.095,-101.95) 49.08,-100.965 50.782,-100.965 56.022,-95.725 56.802,-95.725 57.15,-95.377 57.15,-94.484 R26.6@57.154,-94.48
NetJ2_49: J2.49 R30.7 | length 4.6
  Top Layer w0.15: v1(49.365,-98.05) 51.8,-95.615 R30.7@51.8,-94.488
NetJ2_50: J2.50 R26.7 | length 11.9
  Top Layer w0.15: v1@49.365,-101.95 v1(49.396,-101.981) 49.53,-101.981 50.038,-101.473 50.37,-101.473 50.418,-101.425 50.746,-101.425 56.146,-96.025 56.967,-96.025 57.654,-95.338 R26.7@57.654,-94.48
NetJ2_51: J2.51 R30.8 | length 4.3
  Top Layer w0.15: v1(50.635,-98.05) 50.673,-98.044 51.643,-97.074 51.643,-96.777 52.3,-96.12 R30.8@52.3,-94.488
NetJ2_52: J2.52 R26.8 | length 11.1
  Top Layer w0.15: v1(50.635,-101.95) 50.645,-101.95 56.27,-96.325 57.091,-96.325 58.154,-95.262 R26.8@58.154,-94.48
NetJ2_53: J2.53 R32.5 | length 4.2
  Top Layer w0.15: v1@51.905,-98.05 v1(51.943,-98.044) 51.943,-96.901 53.213,-95.631 53.213,-94.639 R32.5@53.364,-94.488